# Altium PCB 400236.PcbDoc (part 2 of 5)
Units mm, origin at the board's own origin, x right, y up, seen from the top; angles counter-clockwise.
Board outline 136.53 x 63.5 mm, 4 copper layers (Top Layer, Mid-Layer 1, Mid-Layer 2, Bottom Layer), stack 1.505 mm thick; 340 components, 230 nets, 1369 pads, 1292 vias.
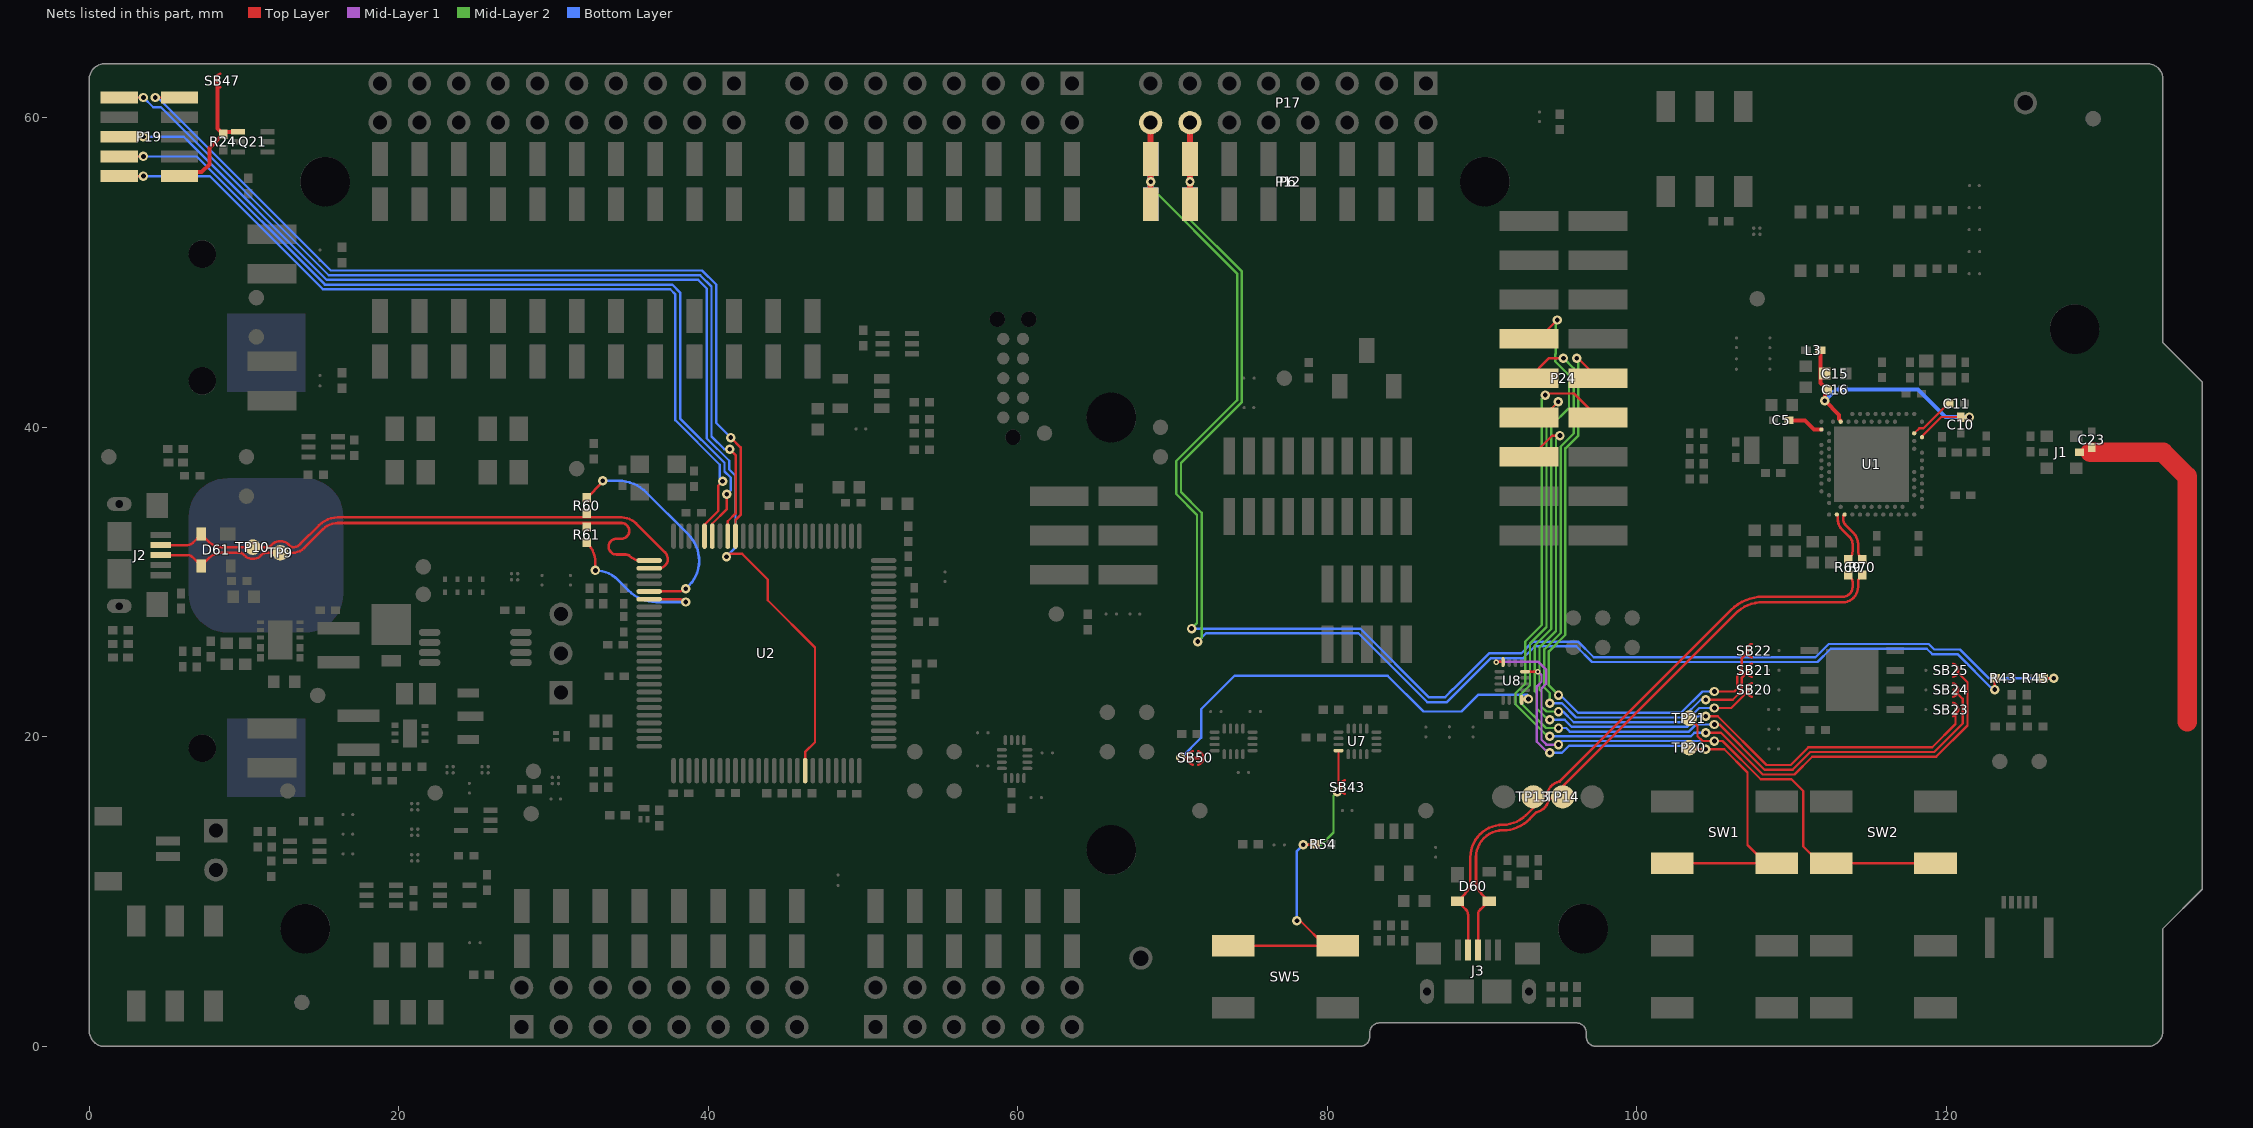
[diagram p4: the nets of this part, all layers, seen from the top]

## Part data
Bat1: library part "Bat Holder CR2032 SMD", "Bat Holder CR2032 SMD", 2nd source part number=165-0693, Manufacturer=Comfortable, Manufacturer Part Number=BC-2001, Supplier part number="BC-2001/T & R", 2nd source Supplier=Farnell, Artikkelnr Noca=55089011, Artikkelnr Simpro=N.A., Datasheet=\\hizz\pro\app9717\Datasheet\connectores\Comfortable\BC-2001.pdf, Footprint Doc=CR2032_HOLDER_SMD, LatestRevisionDate=2016-04-21, Note="Bat Holder CR2032", Part Number="Bat Holder CR2032 SMD", Pin Count=3, Published=2009-12-12, Publisher="Nordic Semiconductor", Supplier=Cabcon
C1 C2 C17 C18: library part C0402-12p, "Capacitor, NP0, ±2%", Part number IPS=00000002398, Artikkelnr Noca=20029159, Artikkelnr Simpro=N.A., Footprint Doc=0402, LatestRevisionDate=2011-05-11, Note=50V, Part Number=C0402-12p, Pin Count=2, Published=2009-05-08, Publisher="Nordic Semiconductor"
C3 C4: library part C0402-1.0p, "Capacitor, NP0, ±0.1pF", Supplier part number=490-6073-1-ND, Artikkelnr Noca=20029140, Artikkelnr Simpro=N.A., Footprint Doc=0402, LatestRevisionDate=2017-02-23, Note=50V, Part Number=C0402-1.0p, Pin Count=2, Published=2009-05-08, Publisher="Nordic Semiconductor", Supplier=Digi-Key
C5 C7 C8 C12 C24 C25 C26 C28 C31 C32 C33 C34 C35 C36 C37 C40 C41 C42 C43 C45 C48 C49 C50 C62 C65 C66 C67 C68 C69 C85 C89 C90 C93: library part C0402-100n, "Capacitor, X7R, ±10%", Part number IPS=00000005296, Artikkelnr Noca=20039200, Artikkelnr Simpro=N.A., Footprint Doc=0402, LatestRevisionDate=2009-11-23, Note=16V, Part Number=C0402-100n, Pin Count=2, Published=2009-05-08, Publisher="Nordic Semiconductor"
  C66 C67: Assembly="Not mounted"
C6 C20: library part C0603-4µ7-6.3V-X7R, "Capacitor, X7R, ±10%", Manufacturer=Samsung, Manufacturer Part Number=CL10B475KQ8NQNC, Supplier part number=1276-2087-1-ND, Artikkelnr Noca=20039473, Artikkelnr Simpro=N.A., Datasheet=http://media.digikey.com/pdf/Data%20Sheets/Samsung%20PDFs/CL10B475KQ8NQNC_Spec.pdf, Footprint Doc=0603, LatestRevisionDate=2015-06-10, Note=6.3V, Part Number=C0603-4µ7-6.3V-X7R, Pin Count=2, Published=2015-06-10, Publisher="Nordic Semiconductor", Supplier=Digi-Key
C9: library part C0402-820p, "Capacitor, NP0, ±5%", Artikkelnr Noca=20029219, Artikkelnr Simpro=N.A., Footprint Doc=0402, LatestRevisionDate=2009-05-08, Note=50V, Part Number=C0402-820p, Pin Count=2, Published=2009-05-08, Publisher="Nordic Semiconductor"
C10 C13 C22 C51 C52: library part C0402-N.C., "Not mounted", Artikkelnr Noca=N.A., Artikkelnr Simpro=N.A., Assembly="Not mounted", Footprint Doc=0402, LatestRevisionDate=2009-05-08, Note="Chip Cap", Part Number=C0402-N.C., Pin Count=2, Published=2009-05-08, Publisher="Nordic Semiconductor"
C11: library part C0402-100p, "Capacitor, NP0, ±5%", Part number IPS=00000002361, Artikkelnr Noca=20029135, Artikkelnr Simpro=N.A., Footprint Doc=0402, LatestRevisionDate=2009-05-08, Note=50V, Part Number=C0402-100p, Pin Count=2, Published=2009-05-08, Publisher="Nordic Semiconductor"
C14 C15 C91 C92: library part C0603-1µ0, "Capacitor, X7R, ±10%", Part number IPS=00000000616, Artikkelnr Noca=20039335, Artikkelnr Simpro=N.A., Footprint Doc=0603, LatestRevisionDate=2013-06-05, Note=16V, Part Number=C0603-1µ0, Pin Count=2, Published=2009-05-08, Publisher="Nordic Semiconductor"
C16: library part C0402-47n, "Capacitor, X7R, ±10%", Artikkelnr Noca=20039389, Artikkelnr Simpro=N.A., Footprint Doc=0402, LatestRevisionDate=2009-05-08, Note="Chip Cap 10%", Part Number=C0402-47n, Pin Count=2, Published=2009-05-08, Publisher="Nordic Semiconductor"
C19 C21: library part C0603-4µ7-10V-X7S, "Capacitor, X7S, ±10%", Supplier part number=445-14258-1-ND, Artikkelnr Noca=20030013, Artikkelnr Simpro=N.A., Footprint Doc=0603, LatestRevisionDate=2016-08-15, Note=10V, Part Number=C0603-4µ7-10V-X7S, Pin Count=2, Published=2016-08-15, Publisher="Nordic Semiconductor", Supplier=Digi-Key
C23: library part C0402-1.2p, "Capacitor, NP0, ±0.1pF", Part number IPS=00000005410, Artikkelnr Noca=20029157, Artikkelnr Simpro=N.A., Footprint Doc=0402, LatestRevisionDate=2011-05-11, Note=50V, Part Number=C0402-1.2p, Pin Count=2, Published=2009-05-08, Publisher="Nordic Semiconductor"
C27: library part C0402-10p, "Capacitor, NP0, ±2%", 2nd source part number=185-6064, Supplier part number=712-1252-1-ND, 2nd source Supplier=Farnell, Artikkelnr Noca=20029260, Artikkelnr Simpro=N.A., Footprint Doc=0402, LatestRevisionDate=2009-05-08, Note=50V, Part Number=C0402-10p, Pin Count=2, Published=2009-05-08, Publisher="Nordic Semiconductor", Supplier=Digi-Key
C29 C30: library part C0402-18p, "Capacitor, NP0, ±5%", Artikkelnr Noca=20029209, Artikkelnr Simpro=N.A., Footprint Doc=0402, LatestRevisionDate=2009-05-08, Note=50V, Part Number=C0402-18p, Pin Count=2, Published=2009-05-08, Publisher="Nordic Semiconductor"
C38 C39 C61 C64: library part C0603-10µ, "Capacitor, X5R, ±20%", Part number IPS=00000007785, Artikkelnr Noca=20039234, Artikkelnr Simpro=N.A., Footprint Doc=0603, LatestRevisionDate=2011-01-17, Note=6.3V, Part Number=C0603-10µ, Pin Count=2, Published=2011-01-17, Publisher="Nordic Semiconductor"
C44 C60 C63: library part C0402-10n, "Capacitor, X7R, ±10%", Part number IPS=00000007784, Artikkelnr Noca=20039166, Artikkelnr Simpro=N.A., Footprint Doc=0402, LatestRevisionDate=2009-11-23, Note=16V, Part Number=C0402-10n, Pin Count=2, Published=2009-05-08, Publisher="Nordic Semiconductor"
C46 C47: library part C0402-300p, "Capacitor, NP0, ±5%", Supplier part number=490-3234-1-ND, Artikkelnr Noca=20020004, Artikkelnr Simpro=N.A., Footprint Doc=0402, LatestRevisionDate=2016-08-25, Note=50V, Part Number=C0402-300p, Pin Count=2, Published=2015-05-29, Publisher="Nordic Semiconductor", Supplier=Digi-Key
C80 C82 C83 C88: library part C0603-10µF-25V, "Capacitor, 0603, 25V, X5R", Artikkelnr Noca=20039436, Artikkelnr Simpro=N.A., Footprint Doc=0603, LatestRevisionDate=2015-02-25, Note=25V, Part Number=C0603-10µF-25V, Pin Count=2, Published=2015-02-25, Publisher="Nordic Semiconductor"
C81: library part C0402-15p, "Capacitor, NP0, ±5%", Part number IPS=00000002401, Artikkelnr Noca=20029141, Artikkelnr Simpro=N.A., Footprint Doc=0402, LatestRevisionDate=2009-11-23, Note=50V, Part Number=C0402-15p, Pin Count=2, Published=2009-05-08, Publisher="Nordic Semiconductor"
C84: library part C0402-470n, "Capacitor, X5R, ±10%", Artikkelnr Noca=20039350, Artikkelnr Simpro=N.A., Footprint Doc=0402, LatestRevisionDate=2015-07-03, Note=6.3V, Part Number=C0402-470n, Pin Count=2, Published=2009-05-08, Publisher="Nordic Semiconductor"
C86: library part C0805-4µ7, "Capacitor, X5R, ±10%", Artikkelnr Noca=20039266, Artikkelnr Simpro=N.A., Footprint Doc=0805, LatestRevisionDate=2013-06-04, Note=16V, Part Number=C0805-4µ7, Pin Count=2, Published=2009-08-21, Publisher="Nordic Semiconductor"
C87: library part C0402-150p, "Capacitor, NP0, ±5%", Part number IPS=00000007972, Artikkelnr Noca=20029111, Artikkelnr Simpro=N.A., Footprint Doc=0402, LatestRevisionDate=2009-05-08, Note=50V, Part Number=C0402-150p, Pin Count=2, Published=2009-05-08, Publisher="Nordic Semiconductor"
D60 D61: "Ultra low capacitance double rail-to-rail ESD protection diode", 2nd source part number=152-4157, Manufacturer=NXP, Supplier part number=568-4140-1-ND, 2nd source Supplier=Farnell, Artikkelnr Noca=10069015, Artikkelnr Simpro=N.A., Datasheet=http://www.farnell.com/datasheets/109718.pdf, Footprint Doc=SOT-143B, LatestRevisionDate=2012-06-11, Manufacturer Part Number=PRTR5V0U2X, Part Number=PRTR5V0U2X, Published=2012-06-11, Publisher="Nordic Semiconductor", Supplier=Digi-Key
D80 D81 D82 D83: "20V schottky barrier diode, Vf 350 mV @ 100 mA, Ir 2.0 µA @ 10 V, If 500 mA", Manufacturer="ON Semiconductor", Supplier part number=NSR0620P2T5GOSCT-ND, Artikkelnr Noca=10029169, Artikkelnr Simpro=N.A., Datasheet=http://www.onsemi.com/pub_link/Collateral/NSR0620P2-D.PDF, Footprint Doc=SOD-923, LatestRevisionDate=2016-07-07, Manufacturer Part Number=NSR0620P2T5G, Part Number=NSR0620P2T5G, Published=2016-07-07, Publisher="Nordic Semiconductor", Supplier=Digi-Key
D84: "Diode Schottky Vf=0.455V @ 100mA, Vr=10V, If=1000mA, Ir=1µA @ 10V", 2nd source part number=236-9429, Manufacturer="ON Semiconductor", Manufacturer Part Number=MBRM110ET1G, Supplier part number=MBRM110ET1GOSTR-ND, 2nd source Supplier=Farnell, Artikkelnr Noca=10029172, Artikkelnr Simpro=N.A., Datasheet=http://media.digikey.com/pdf/Data%20Sheets/ON%20Semiconductor%20PDFs/MBRM110E-D.pdf, Footprint Doc=DO-216AA, LatestRevisionDate=2016-10-24, Part Number=MBRM110E, Published=2016-10-24, Publisher="Nordic Semiconductor", Supplier=Digi-Key
FB60 FB61 FB62 FB63 FB64 FB65: library part FB0402-120R@100M-500mA, "Ferrite Bead, 120 Ohm @ 100MHz, 500mA, 250 mOhm Max", 2nd source part number=151-5760, Manufacturer=Murata, Manufacturer Part Number=BLM15AG121SN1D, Supplier part number=490-1005-1-ND, 2nd source Supplier=Farnell, Artikkelnr Noca=33029317, Artikkelnr Simpro=N.A., ComponentLink1Description=Datasheet, ComponentLink2Description="Supplier link", Datasheet=http://search.murata.co.jp/Ceramy/image/img/PDF/ENG/L0110S0100BLM15A_SN.pdf, Footprint Doc=0402, LatestRevisionDate=2014-01-10, Note="Chip EMIFIL Inductor Type Chip Ferrite Bead", Part Number=FB0402-120R@100M-500mA, Pin Count=2, Published=2011-11-14, Publisher="Nordic Semiconductor", Supplier=Digi-Key
Fid1 Fid2: library part Fid-Mark, "Fiducial Mark", Artikkelnr Noca=N.A., Artikkelnr Simpro=N.A., Footprint Doc=Fiducial, LatestRevisionDate=2009-12-12, Part Number=Fid-Mark, Pin Count=1, Published=2009-12-12, Publisher="Nordic Semiconductor"
J1: "Coaxial Connector with Switch", 2nd source part number=81-MM8130-2600RA2, Manufacturer=Murata, Supplier part number=490-4981-1-ND, 2nd source Supplier=Mouser, Artikkelnr Noca=55029011, Artikkelnr Simpro=N.A., Datasheet=http://www.murata.com/products/catalog/pdf/o33e.pdf, Footprint Doc=COAXIAL-SWF, LatestRevisionDate=2014-04-24, Manufacturer Part Number=MM8130-2600, Part Number=MM8130-2600, Pin Count=3, Published=2014-04-24, Publisher="Nordic Semiconductor", Supplier=Digi-Key
J2 J3: library part USB-Micro-B-RA-SMD-PiP, "MicroUSB-B-SMT", 2nd source part number=609-4616-1-ND, Manufacturer="Allen Creations Corp.", Manufacturer Part Number=AJU55-BS2111-L, Part number IPS=00000007790, 2nd source Supplier=Digi-Key, Artikkelnr Noca=55029020, Artikkelnr Simpro=N.A., Datasheet="\\hizz\pro\app9717\Datasheet\connectores\Allen Creations Corp\AJU-211.pdf", Footprint Doc=USB-Micro-B-RA-SMD-PiP, LatestRevisionDate=2016-04-21, Part Number=USB-Micro-B-RA-SMD-PiP, Pin Count=5, Published=2014-10-07, Publisher="Nordic Semiconductor", Supplier=Cabcon, Supplier part number=AJU55-BS2111-L
J4: library part TC2050-IDC-NLFP, "CBL PLUG-OF-NAILS 10-PIN", Manufacturer="Tag-Connect LLC", Supplier part number=TC2050-IDC-NL-ND, Artikkelnr Noca=N.A., Artikkelnr Simpro=N.A., Assembly="Not mounted", Datasheet=http://www.tag-connect.com/Materials/TC2050-IDC%20Datasheet.pdf, Footprint Doc=TC2050-IDC-NLFP, LatestRevisionDate=2012-11-21, Manufacturer Part Number=TC2050-IDC-NLFP, Part Number=TC2050-IDC-NLFP, Pin Count=10, Published=2012-11-21, Publisher="Nordic Semiconductor", Supplier=Digi-Key
J5: library part FPC_05P-0.5mm-RA-SMD, "0.5mm FPC, 5P,Right Angle SMT,Double Contact,H=1.2mm,White, Tin plated", 2nd source part number=WM9836CT-ND, Manufacturer=W-CON, Manufacturer Part Number=5141-05RZDNWR01, Part number IPS=00000007792, 2nd source Supplier=Digi-Key, Artikkelnr Noca=55010020, Artikkelnr Simpro=N.A., Datasheet=\\hizz\pro\app9717\Datasheet\connectores\W-CON\5141-XXRZDNXX0X.pdf, Footprint Doc=FPC_05P-0.5mm-RA-SMD, LatestRevisionDate=2016-04-21, Part Number=FPC_05P-0.5mm-RA-SMD, Pin Count=7, Published=2015-06-22, Publisher="Nordic Semiconductor", Supplier=Cabcon, Supplier part number=5141-05RZDNWR01
J6: library part SM02B-SRSS-TB, "1.0mm pitch connector side entry SMD", Manufacturer=JST, Manufacturer Part Number=SM02B-SRSS-TB(LF)(SN), Part number IPS=00000007791, Supplier part number=455-1802-1-ND, Artikkelnr Noca=55010030, Artikkelnr Simpro=N.A., Datasheet=http://www.jst-mfg.com/product/pdf/eng/eSH.pdf, Footprint Doc=SM02B-SRSS-TB, LatestRevisionDate=2016-06-20, Note="JST, Header", Part Number=SM02B-SRSS-TB, Pin Count=2, Published=2016-06-20, Publisher="Nordic Semiconductor", Supplier=Digi-Key
L1: library part L0402-3n9, "Inductor, 170mA, ±0.1nH", Manufacturer=Murata, Manufacturer Part Number=LQP15MN3N9B02D, Part number IPS=00000007793, Supplier part number=490-1131-1-ND, Artikkelnr Noca=33029151, Artikkelnr Simpro=N.A., ComponentLink1Description=Datasheet, ComponentLink2Description="Supplier link", Datasheet=http://search.murata.co.jp/Ceramy/image/img/PDF/ENG/L0075S0084LQP15M.pdf, Footprint Doc=0402, LatestRevisionDate=2012-09-19, Note="High frequency chip inductor ±5%", Part Number=L0402-3n9, Pin Count=2, Published=2009-05-08, Publisher="Nordic Semiconductor", Supplier=Digi-Key
L2 L4: library part L0603-10µ, "Inductor, 80mA, ±10%", 2nd source part number=178-6105, Manufacturer="Taiyo Yuden", Manufacturer Part Number=LBMF1608T100K, Part number IPS=00000007794, Supplier part number=587-1714-1-ND, 2nd source Supplier=Farnell, Artikkelnr Noca=33029314, Artikkelnr Simpro=N.A., ComponentLink1Description=Datasheet, ComponentLink2Description="Supplier link", Datasheet=http://www.yuden.co.jp/ut/product/pdf/elb2_e.pdf, Footprint Doc=0603, LatestRevisionDate=2012-09-19, Note="LBMF1608T100K 10µH 80mA 0603", Part Number=L0603-10µ, Pin Count=2, Published=2010-02-24, Publisher="Nordic Semiconductor", Supplier=Digi-Key
L3: library part L0402-15n, "Inductor, 320mA, ±5%", 2nd source part number=658-1328, Manufacturer="Taiyo Yuden", Manufacturer Part Number=HK100515NJ-T, Part number IPS=00000003215, Supplier part number=587-1521-1-ND, 2nd source Supplier=Farnell, Artikkelnr Noca=33029323, Artikkelnr Simpro=N.A., ComponentLink1Description=Datasheet, ComponentLink2Description="Supplier link", Datasheet=http://www.yuden.co.jp/productdata/catalog/en/mlci04_e.pdf, Footprint Doc=0402, LatestRevisionDate=2012-09-19, Note="High frequency chip inductor ±10%", Part Number=L0402-15n, Pin Count=2, Published=2010-07-12, Publisher="Nordic Semiconductor", Supplier=Digi-Key
L80: library part NR3015-2µ2-1.5A-72mOhm, "Ferrite Inductor, Shielded, 1,5A, 72mOhm", 2nd source part number=188-5853, Manufacturer="Taiyo Yuden", Manufacturer Part Number=NR3015T2R2M, Supplier part number=587-1648-1-ND, 2nd source Supplier=Farnell, Artikkelnr Noca=33029487, Artikkelnr Simpro=N.A., ComponentLink1Description=Datasheet, ComponentLink2Description="Supplier link", Datasheet=http://www.yuden.co.jp/ut/product/category/inductor/NR3015T2R2M.pdf, Footprint Doc=1212, LatestRevisionDate=2014-01-22, Part Number=NR3015-2µ2-1.5A-72mOhm, Pin Count=2, Published=2014-01-22, Publisher="Nordic Semiconductor", Supplier=Digi-Key
L81: library part NR3015-4µ7-1.04A-144mOhm, "Ferrite Inductor, Shielded, 1,04A, 144mOhm", 2nd source part number=963-NR3015T4R7M, Manufacturer="Taiyo Yuden", Manufacturer Part Number=NR3015T4R7M, Supplier part number=587-1649-1-ND, 2nd source Supplier=Mouser, Artikkelnr Noca=33029551, Artikkelnr Simpro=N.A., ComponentLink1Description=Datasheet, ComponentLink2Description="Supplier link", Datasheet=http://www.yuden.co.jp/ut/product/category/inductor/NR3015T4R7M.pdf, Footprint Doc=1212, LatestRevisionDate=2014-01-22, Part Number=NR3015-4µ7-1.04A-144mOhm, Pin Count=2, Published=2014-01-22, Publisher="Nordic Semiconductor", Supplier=Digi-Key
LED1 LED2 LED3 LED4: library part "VS 25C7M5", "LED, Green, 0603, 573nm, Vf=2.0V, 24mcd, - 40 to +85°C", Manufacturer="Victory Electronics", Artikkelnr Noca=N.A., Artikkelnr Simpro=N.A., Datasheet="\\hizz\pro\app9717\Datasheet\optoelectronics\Victory Electronics\VS 25C7M5.pdf", Footprint Doc=0603, LatestRevisionDate=2017-08-21, Manufacturer Part Number="VS 25C7M5", Part Number="VS 25C7M5", Pin Count=2, Published=2017-08-21, Publisher="Nordic Semiconductor", Supplier="EC Partner"
LED5: library part LTST-C195KGJRKT, "Ultra bright AlInGaP Bi-Color LED", 2nd source part number=859-LTST-C195KGJRKT, Manufacturer="Lite-On Inc", Supplier part number=160-1452-1-ND, 2nd source Supplier=Mouser, Artikkelnr Noca=13019145, Artikkelnr Simpro=N.A., Datasheet=http://media.digikey.com/pdf/Data%20Sheets/Lite-On%20PDFs/LTST-C195KGJRKT.pdf, Footprint Doc=LED_DUAL_0606, LatestRevisionDate=2013-02-11, Manufacturer Part Number=LTST-C195KGJRKT, Part Number=LTST-C195KGJRKT, Pin Count=4, Published=2012-07-05, Publisher="Nordic Semiconductor", Supplier=Digi-Key
P1 P3 P6: library part "Socket 1x8 SMD", "Socket 1x8, 2.54mm (100mil), SMD", 2nd source part number=SSM-108-F-SV-P-TR, Manufacturer=W-CON, Manufacturer Part Number=2171-108MS0CUNR1, 2nd source Supplier=Samtec, Artikkelnr Noca=55030002, Artikkelnr Simpro=N.A., Footprint Doc=SOCKET_1x8_SMD, LatestRevisionDate=2016-01-22, Part Number="Socket 1x8 SMD", Pin Count=8, Published=2016-01-22, Publisher="Nordic Semiconductor", Supplier=Cabcon, Supplier part number=2171-108MS0CUNR1
P2: library part "Socket 1x6 SMD", "Socket 1x6, 2.54mm (100mil), SMD", 2nd source part number=SSM-106-F-SV-P-TR, Manufacturer=W-CON, Manufacturer Part Number=2171-106MS0CUNR1, 2nd source Supplier=Samtec, Artikkelnr Noca=55030001, Artikkelnr Simpro=N.A., Footprint Doc=SOCKET_1x6_SMD, LatestRevisionDate=2016-01-22, Part Number="Socket 1x6 SMD", Pin Count=6, Published=2016-01-22, Publisher="Nordic Semiconductor", Supplier=Cabcon, Supplier part number=2171-106MS0CUNR1
P4: library part "Socket 1x10 SMD", "Socket 1x10, 2.54mm (100mil), SMD", 2nd source part number=SSM-110-F-SV-P-TR, Manufacturer=W-CON, Manufacturer Part Number=2171-110MS0CUNR1, 2nd source Supplier=Samtec, Artikkelnr Noca=55030004, Artikkelnr Simpro=N.A., Footprint Doc=SOCKET_1x10_SMD, LatestRevisionDate=2016-01-22, Part Number="Socket 1x10 SMD", Pin Count=10, Published=2016-01-22, Publisher="Nordic Semiconductor", Supplier=Cabcon, Supplier part number=2171-110MS0CUNR1
P5: library part "Pin Header 2x3 SMD", "Pin Header 2x3, 2.54mm (100mil) SMD", 2nd source part number=TSM-103-01-L-DV, Manufacturer=W-CON, Manufacturer Part Number=1125-1203S0M116R1, 2nd source Supplier=Samtec, Artikkelnr Noca=55010007, Artikkelnr Simpro=N.A., Datasheet=\\hizz\pro\app9717\Datasheet\connectores\W-CON\1125-12XXXXMXXXXX.PDF, Footprint Doc=HDR_2x3-SMD, LatestRevisionDate=2016-01-22, Note=SMD, Part Number="Pin Header 2x3 SMD", Pin Count=6, Published=2016-01-22, Publisher="Nordic Semiconductor", Supplier=Cabcon, Supplier part number=1125-1203S0M116R1
P7 P9 P12: library part "Pin List 1x8 SMD, N.C.", "Pin List 1x8, 2.54mm (100mil), SMD", 2nd source part number=TSM-108-01-L-SV-P-TR, Manufacturer=W-CON, Manufacturer Part Number=1125-1108S0M116R2, 2nd source Supplier=Samtec, Artikkelnr Noca=55010006, Artikkelnr Simpro=N.A., Assembly="Not mounted", Datasheet=\\hizz\pro\app9717\Datasheet\connectores\W-CON\1125-11XXXXMXXXXX.pdf, Footprint Doc=LIST_1x8_SMD, LatestRevisionDate=2016-01-22, Part Number="Pin List 1x8 SMD, N.C.", Pin Count=8, Published=2016-01-22, Publisher="Nordic Semiconductor", Supplier=Cabcon, Supplier part number=1125-1108S0M116R2
P8: library part "Pin List 1x6 SMD, N.C.", "Pin List 1x6, 2.54mm (100mil), SMD", 2nd source part number=TSM-106-01-L-SV-P-TR, Manufacturer=W-CON, Manufacturer Part Number=1125-1106S0M116R2, 2nd source Supplier=Samtec, Artikkelnr Noca=55010026, Artikkelnr Simpro=N.A., Assembly="Not mounted", Datasheet=\\hizz\pro\app9717\Datasheet\connectores\W-CON\1125-11XXXXMXXXXX.pdf, Footprint Doc=LIST_1x6_SMD, LatestRevisionDate=2016-03-29, Part Number="Pin List 1x6 SMD, N.C.", Pin Count=6, Published=2016-03-29, Publisher="Nordic Semiconductor", Supplier=Cabcon, Supplier part number=1125-1106S0M116R2
P10: library part "Pin List 1x10 SMD, N.C.", "Pin List 1x10, 2.54mm (100mil), SMD", 2nd source part number=TSM-110-01-L-SV-P-TR, Manufacturer=W-CON, Manufacturer Part Number=1125-1110S0M116R2, 2nd source Supplier=Samtec, Artikkelnr Noca=55010028, Artikkelnr Simpro=N.A., Assembly="Not mounted", Datasheet=\\hizz\pro\app9717\Datasheet\connectores\W-CON\1125-11XXXXMXXXXX.pdf, Footprint Doc=LIST_1x10_SMD, LatestRevisionDate=2016-03-29, Part Number="Pin List 1x10 SMD, N.C.", Pin Count=10, Published=2016-03-29, Publisher="Nordic Semiconductor", Supplier=Cabcon, Supplier part number=1125-1110S0M116R2
P11: library part "Socket 2x3 SMD Bottom, N.C.", "Socket 2x3, 2.54mm (100mil), SMD", 2nd source part number=SSM-103-F-DV-P-TR, Manufacturer=W-CON, Manufacturer Part Number=2171-203MS0CUNR1, 2nd source Supplier=Samtec, Artikkelnr Noca=55030010, Artikkelnr Simpro=N.A., Assembly="Not mounted", Datasheet=\\hizz\pro\app9717\Datasheet\connectores\W-CON\2171-2XXMXXCUNXX.pdf, Footprint Doc=SOCKET_2x3_SMD-2.54mm-bottom, LatestRevisionDate=2016-03-29, Part Number="Socket 2x3 SMD Bottom, N.C.", Pin Count=6, Published=2014-06-10, Publisher="Nordic Semiconductor", Supplier=Cabcon, Supplier part number=2171-203MS0CUNR1
P13 P15 P17: library part "Pin Header 2x8, N.C.", "Pin Header 2x8, 2.54mm (100mil)", Artikkelnr Noca=N.A., Artikkelnr Simpro=N.A., Assembly="Not mounted", Footprint Doc=HDR_2x8, LatestRevisionDate=2009-12-12, Part Number="Pin Header 2x8, N.C.", Pin Count=16, Published=2009-12-12, Publisher="Nordic Semiconductor"
P14: library part "Pin Header 2x6, N.C.", "Pin Header 2x6, 2.54mm (100mil)", Artikkelnr Noca=N.A., Artikkelnr Simpro=N.A., Assembly="Not mounted", Footprint Doc=HDR_2x6, LatestRevisionDate=2014-07-04, Part Number="Pin Header 2x6, N.C.", Pin Count=12, Published=2009-12-12, Publisher="Nordic Semiconductor"
P16: library part "Pin Header 2x10, N.C.", "Pin Header 2x10, 2.54mm (100mil)", Artikkelnr Noca=N.A., Artikkelnr Simpro=N.A., Assembly="Not mounted", Footprint Doc=HDR_2x10, LatestRevisionDate=2017-02-02, Part Number="Pin Header 2x10, N.C.", Pin Count=20, Published=2017-01-30, Publisher="Nordic Semiconductor"
P18 P19: library part "Pin Header 2x5 SMD, 1.27mm, KS", "Pin Header 2x5, 1.27mm (50mil), SMD, Keying Shroud", 2nd source part number=FTSH-105-01-F-DV-K, Manufacturer=W-CON, Manufacturer Part Number=3132-10MS0BK00R1, 2nd source Supplier=Samtec, Artikkelnr Noca=55010009, Artikkelnr Simpro=N.A., Datasheet=\\hizz\pro\app9717\Datasheet\connectores\W-CON\3132-XXMXXBK00XX.pdf, Footprint Doc=HDR_2x5-SMD-1.27mm, LatestRevisionDate=2016-04-21, Part Number="Pin Header 2x5 SMD, 1.27mm, KS", Pin Count=10, Published=2016-01-22, Publisher="Nordic Semiconductor", Supplier=Cabcon, Supplier part number=3132-10MS0BK00R1
P20: library part "Pin List 1x12 SMD", "Pin List 1x12, 2.54mm (100mil), SMD", Supplier part number=TSM-112-01-L-SV-P-TR, Artikkelnr Noca=55019293, Artikkelnr Simpro=N.A., Footprint Doc=LIST_1x12_SMD, LatestRevisionDate=2015-11-10, Part Number="Pin List 1x12 SMD", Pin Count=12, Published=2015-11-10, Publisher="Nordic Semiconductor", Supplier=Samtec
P21 P22 P23: library part "Pin List Ang 1x2 SMD, 2.54mm", "Pin List 1x2, 2.54mm (100mil), Right Angled, SMD", 2nd source part number=TSM-102-01-L-SH-A, Manufacturer=W-CON, Manufacturer Part Number=1125B-1102S0Z135R2, 2nd source Supplier=Samtec, Artikkelnr Noca=55010023, Artikkelnr Simpro=N.A., Datasheet=\\hizz\pro\app9717\Datasheet\connectores\W-CON\1125B-11XXXXZXXXXX.pdf, Footprint Doc=LIST_ANG_1x2-SMD-2.54MM, LatestRevisionDate=2016-05-26, Part Number="Pin List Ang 1x2 SMD, 2.54mm", Pin Count=2, Published=2016-01-22, Publisher="Nordic Semiconductor", Supplier=Cabcon, Supplier part number=1125B-1102S0Z135R2
P24: library part "Socket 2x9 SMD", "Socket 2x9, 2.54mm (100mil), SMD", Manufacturer=Samtec, Manufacturer Part Number=SSM-109-F-DV, Supplier part number=SSM-109-F-DV-P-TR, Artikkelnr Noca=55030011, Artikkelnr Simpro=N.A., Datasheet=http://suddendocs.samtec.com/prints/ssm-1xx-xxx-dv-xx-xx-xxx-xx-mkt.pdf, Footprint Doc=SOCKET_2x9_SMD-2.54mm, LatestRevisionDate=2016-07-07, Part Number="Socket 2x9 SMD", Pin Count=18, Published=2016-07-07, Publisher="Nordic Semiconductor", Supplier=Samtec
P25: library part "Pin Header 2x10 SMD, 1.27mm, KS, N.C.", "Pin Header 2x10, 1.27mm (50mil), SMD, Keying Shroud", Manufacturer=Samtec, Manufacturer Part Number=FTSH-110-01-F-DV-K, Supplier part number=FTSH-110-01-F-DV-K-ND, Artikkelnr Noca=N.A., Artikkelnr Simpro=N.A., Assembly="Not mounted", Datasheet=http://www.digikey.com/product-search/en?vendor=0&keywords=FTSH-110-01-F-DV-K, Footprint Doc=HDR_2x10-SMD-1.27mm, LatestRevisionDate=2017-09-07, Part Number="Pin Header 2x10 SMD, 1.27mm, KS, N.C.", Pin Count=20, Published=2017-09-07, Publisher="Nordic Semiconductor", Supplier=Digi-Key
P26: library part "Socket 1x12 SMD, N.C.", "Socket 1x12, 2.54mm (100mil), SMD", 2nd source part number=SSM-109-L-SV, Manufacturer=Samtec, 2nd source Supplier=Samtec, Artikkelnr Noca=N.A., Artikkelnr Simpro=N.A., Assembly="Not mounted", Footprint Doc=SOCKET_1x12_SMD, LatestRevisionDate=2017-09-07, Manufacturer Part Number=SSM-109-L-SV, Part Number="Socket 1x12 SMD, N.C.", Pin Count=12, Published=2017-09-07, Publisher="Nordic Semiconductor"
P27: library part "Pin List 1x2, N.C.", "Pin List 1x2, 2.54mm (100mil)", Artikkelnr Noca=N.A., Artikkelnr Simpro=N.A., Assembly="Not mounted", Footprint Doc=LIST_1x2, LatestRevisionDate=2017-02-02, Part Number="Pin List 1x2, N.C.", Pin Count=2, Published=2017-01-30, Publisher="Nordic Semiconductor"
P28: library part "Pin List 1x3, N.C.", "Pin List 1x3, 2.54mm (100mil)", Artikkelnr Noca=N.A., Artikkelnr Simpro=N.A., Assembly="Not mounted", Footprint Doc=LIST_1x3, LatestRevisionDate=2017-09-07, Part Number="Pin List 1x3, N.C.", Pin Count=3, Published=2017-09-07, Publisher="Nordic Semiconductor"
Q20 Q21 Q40: "Fairchild, FDG6321C, Dual N & P Channel Digital FET", 2nd source part number=FDG6321CCT-ND, Manufacturer=Fairchild, Supplier part number=170-0689, 2nd source Supplier=Digi-Key, Artikkelnr Noca=35029089, Artikkelnr Simpro=N.A., Datasheet=http://www.fairchildsemi.com/ds/FD/FDG6321C.pdf, Footprint Doc=SC70-6, LatestRevisionDate=2011-05-11, Manufacturer Part Number=FDG6321C, Note="Dual N & P Channel Digital FET", Part Number=FDG6321C, Pin Count=6, Published=2009-09-16, Publisher="Nordic Semiconductor", Supplier=Farnell
Q80: "45V NPN high gain power transistor", Manufacturer="Diodes Incorporated", Supplier part number=FCX690BCT-ND, Artikkelnr Noca=35010019, Artikkelnr Simpro=N.A., Datasheet=http://www.diodes.com/_files/datasheets/FCX690B.pdf, Footprint Doc=SOT-89, LatestRevisionDate=2016-07-07, Manufacturer Part Number=FCX690BTA, Part Number=FCX690BTA, Published=2016-07-07, Publisher="Nordic Semiconductor", Supplier=Digi-Key
Q81: "Fairchild, FDG6303N, Dual N-Channel Digital FET", 2nd source part number=FDG6303NCT-ND, Manufacturer=Fairchild, Supplier part number=161-1233, 2nd source Supplier=Digi-Key, Artikkelnr Noca=35029086, Artikkelnr Simpro=N.A., Datasheet=http://www.fairchildsemi.com/ds/FD/FDG6303N.pdf, Footprint Doc=SC70-6, LatestRevisionDate=2009-08-10, Manufacturer Part Number=FDG6303N, Note="Dual N-channel digital fet", Part Number=FDG6303N, Pin Count=6, Published=2009-08-10, Publisher="Nordic Semiconductor", Supplier=Farnell
Q82 Q83: "N-Channel MOSFET, 20V, 1A, 470mOhm, 400mW", 2nd source part number=755-RV2C010UNT2L, Manufacturer="Rohm Semiconductor", Supplier part number=RV2C010UNT2LCT-ND, 2nd source Supplier=Mouser, Artikkelnr Noca=35010020, Artikkelnr Simpro=N.A., Datasheet=http://rohmfs.rohm.com/en/products/databook/datasheet/discrete/transistor/mosfet/rv2c010unt2l-e.pdf, Footprint Doc=DFN-3, LatestRevisionDate=2016-08-09, Manufacturer Part Number=RV2C010UNT2L, Part Number=RV2C010UNT2L, Published=2016-08-09, Publisher="Nordic Semiconductor", Supplier=Digi-Key